# Altium PCB UZ_D_Encoder.PcbDoc (part 4 of 5)
Units mm, origin at the board's own origin, x right, y up, seen from the top; angles counter-clockwise.
Board outline 156.29 x 100 mm, 4 copper layers (Top Layer, GND, VCC, Bottom Layer), stack 0.778 mm thick; 526 components, 375 nets, 1809 pads, 592 vias.
Unrouted connection lines stored in the file: 1.
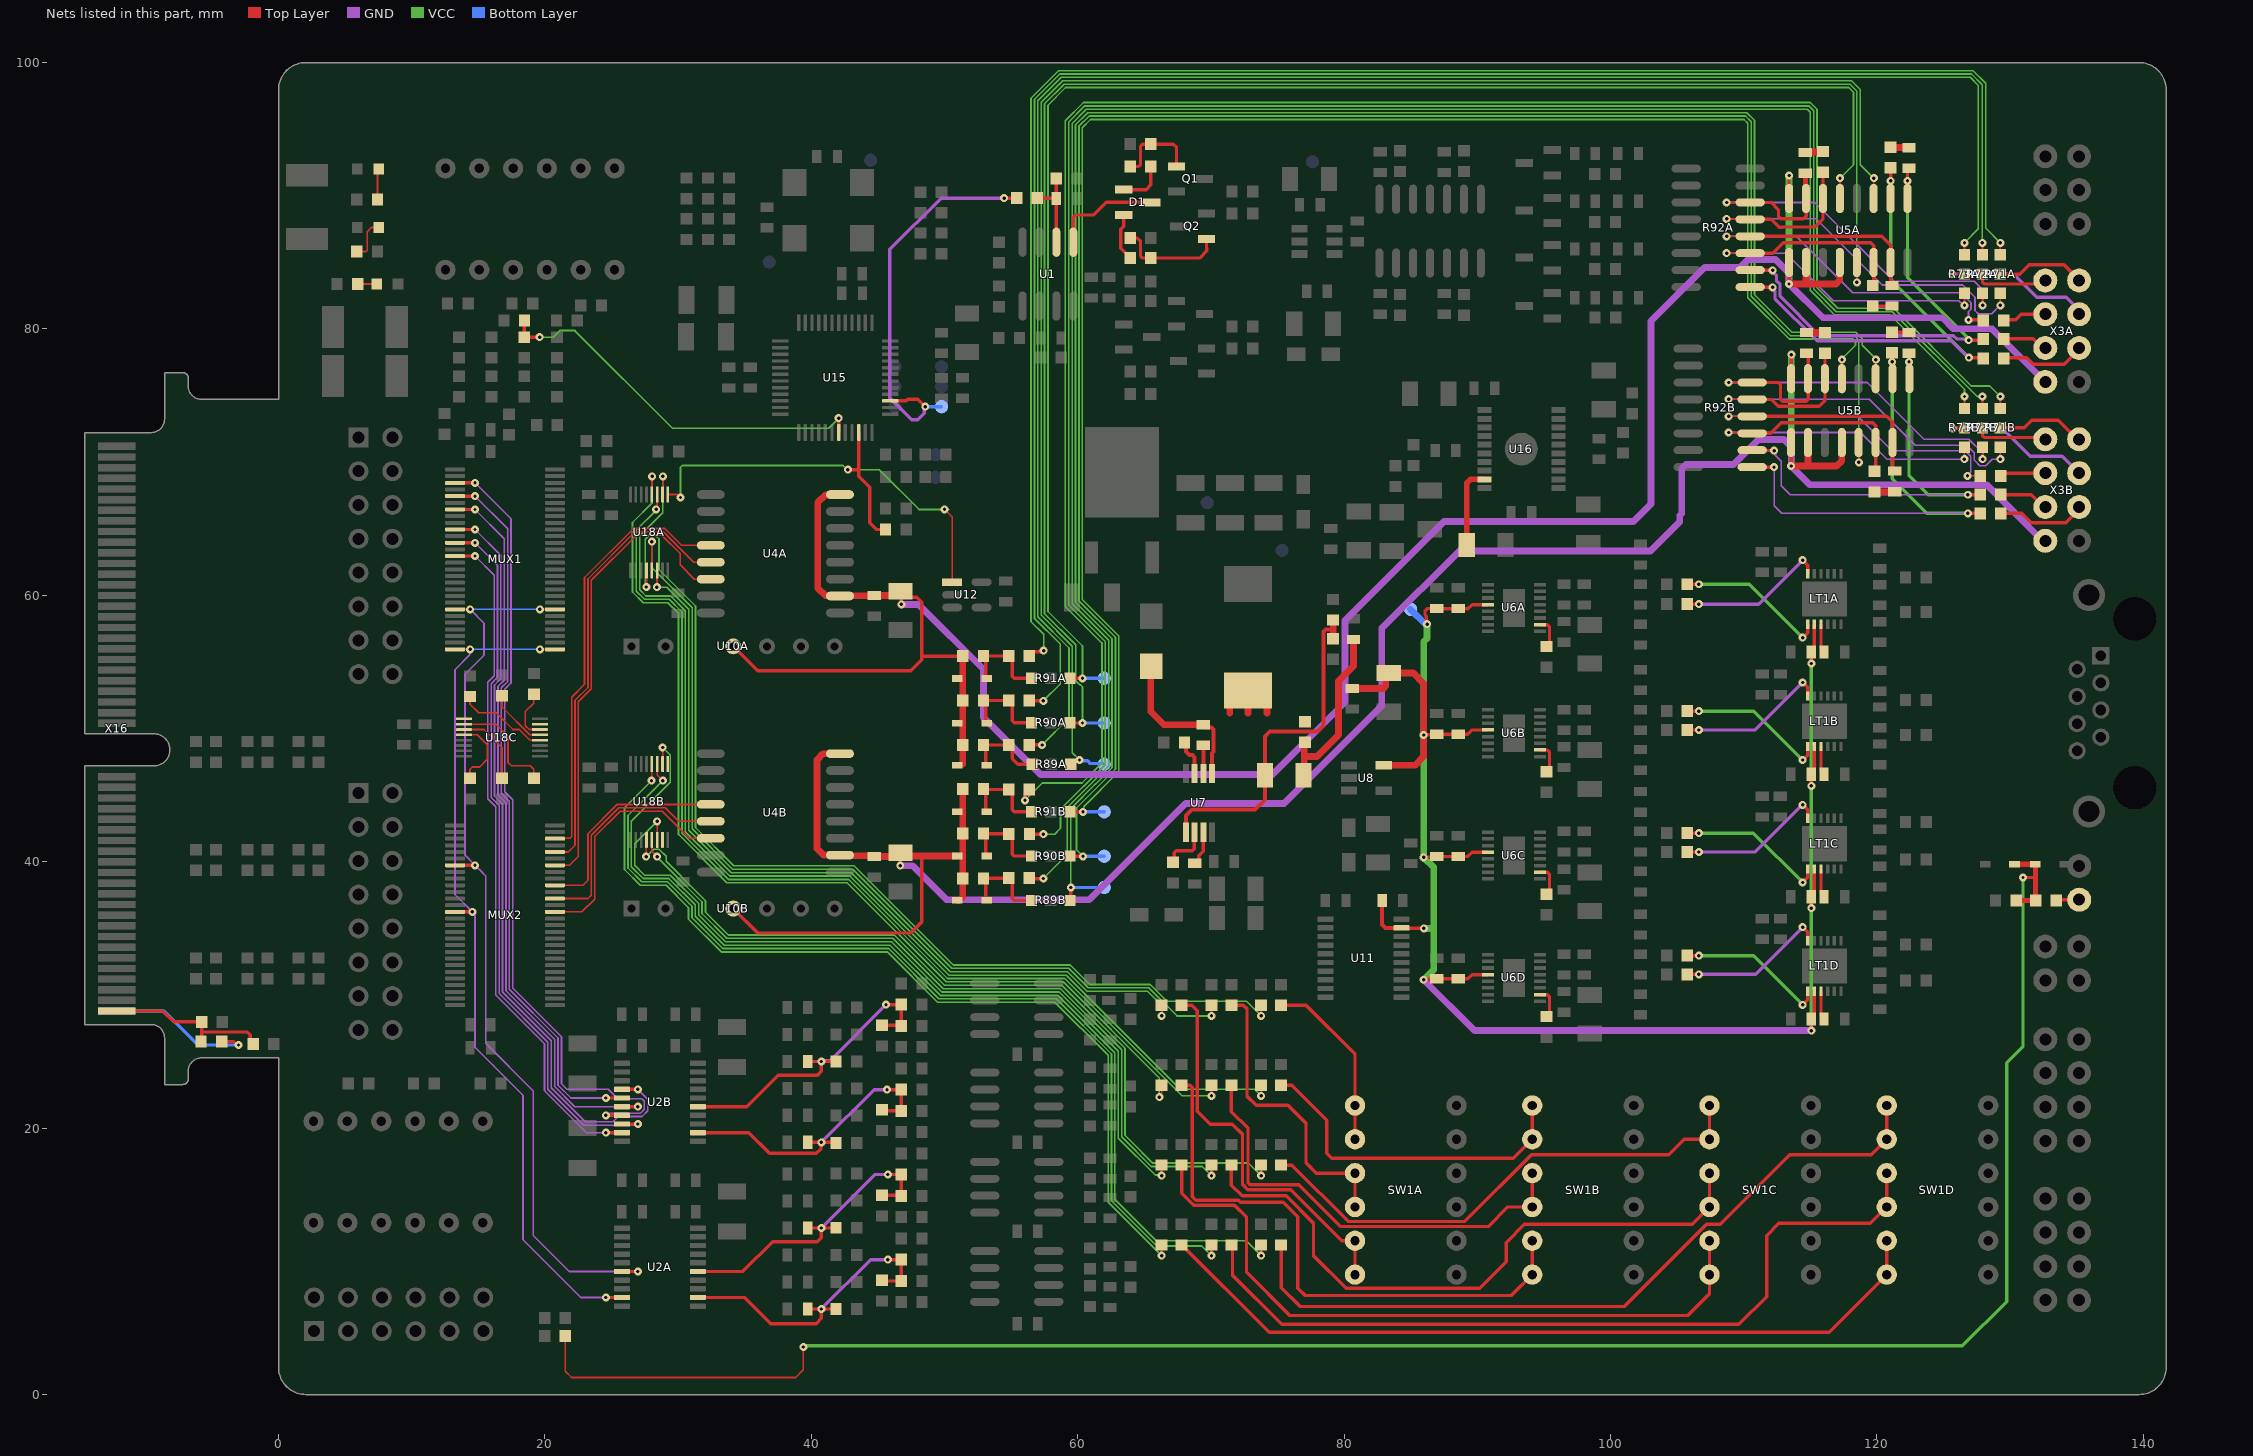
[diagram p6: the nets of this part, all layers, seen from the top]

## Via types
v1: diameter 0.6, hole 0.25, Top Layer to Bottom Layer, tented both sides, 586 vias
v2: diameter 0.7, hole 0.35, Top Layer to Bottom Layer, tented both sides, 6 vias

## Nets (pads, with @x,y where several pads share a name; then routed paths per layer and width w, separated by ;. In a path a pad name is that pad's centre, name@x,y a point inside that pad or via, vN(x,y) a via of type N, cw(c..) or ccw(c..) an arc to the next point about the centre after c; other vN are vias at no path point) (continued)
GND_ENCA: C9A.1 C15A.1 D3A.2 D5A.2 D6A.2 R75A.2 R76A.2 R77A.2 U4A.2 U4A.8 U5A.8 U5A.9 U5A.10 U5A.12 U10A.4 X3A.8 | length 192.6
  Top Layer w0.25: U5A.8@113.405,89.844 v1@113.405,91.514 ; v1@113.415,83.391 U5A.9@113.415,85.061
  Top Layer w0.254: U10A.4@34.13,56.175 35.965,54.34 47.475,54.34 48.3,55.165 48.3,55.441 ; v1(46.754,59.322) C15A.1@46.754,59.934 ; C15A.1@46.754,60.239 C15A.1@46.754,59.934 ; C15A.1@46.773,59.915 C15A.1@46.754,59.934 ; C15A.1@46.793,60.35 47.271,59.872 47.901,59.872 48.3,59.473 48.3,55.441 ; R75A.2@51.373,55.441 48.3,55.441
  Top Layer w0.508: U4A.8@42.147,67.57 42.12,67.543 41.057,67.543 40.476,66.961 40.476,60.559 41.057,59.977 42.12,59.977 U4A.2@42.147,59.95 42.165,59.967 44.715,59.967 C9A.1@44.733,59.985 46.123,59.985 46.488,60.35 C15A.1@46.793,60.35 ; 51.373,47.332 R77A.2@51.373,48.777 R76A.2@51.373,52.109 R75A.2@51.373,55.441 ; v1(113.405,83.381) 114.691,83.381 ; U5A.10@114.685,84.973 114.685,83.387 114.691,83.381 ; U5A.12@117.225,84.973 117.207,84.956 117.207,83.661 116.927,83.381 114.691,83.381
  GND w0.508: v1(46.754,59.322) 48.054,59.322 52.924,54.453 52.924,50.826 57.207,46.543 74.631,46.543 80.065,51.977 80.065,58.122 87.493,65.55 101.725,65.55 103.033,66.858 103.033,80.589 107.069,84.625 109.725,84.625 110.311,85.211 112.381,85.211 113.387,84.205 113.387,83.398 v1(113.405,83.381) 115.936,80.85 124.908,80.85 125.747,80.011 128.637,80.011 X3A.8@132.947,75.701
  VCC w0.25: v1(113.405,83.381) v1@113.41,83.386 ; v1@113.41,91.519 v1(113.415,91.524)
  VCC w0.508: v1@113.41,83.386 v1@113.41,91.519
GND_ENCB: C9B.1 C15B.1 D3B.2 D5B.2 D6B.2 R75B.2 R76B.2 R77B.2 U4B.2 U4B.8 U5B.8 U5B.9 U5B.10 U5B.12 U10B.4 X3B.8 | length 178.9
  Top Layer w0.25: U5B.8@113.567,76.395 v1@113.567,78.066 ; v1@113.577,69.722 U5B.9@113.577,71.392
  Top Layer w0.254: U10B.4@34.13,36.485 35.965,34.65 47.475,34.65 48.3,35.475 48.3,40.433 ; v1(46.673,39.703) 46.673,40.393 C15B.1@46.673,40.619
  Top Layer w0.508: U4B.8@42.147,48.115 40.888,48.115 40.425,47.652 40.425,40.987 40.909,40.503 42.139,40.503 U4B.2@42.147,40.495 42.196,40.446 44.684,40.446 C9B.1@44.733,40.397 44.736,40.393 C15B.1@46.544,40.393 ; C15B.1@46.693,40.675 46.824,40.544 46.935,40.433 48.3,40.433 50.953,40.433 D5B.2@50.957,40.429 ; D6B.2@50.957,37.1 51.099,37.1 51.373,37.374 R76B.2@51.373,42.112 R75B.2@51.373,45.445 ; v1(113.567,69.712) 114.691,69.712 ; U5B.10@114.837,71.453 114.837,69.859 114.691,69.712 ; U5B.12@117.377,71.453 117.365,71.441 117.365,70.103 116.974,69.712 114.691,69.712
  GND w0.508: v1(46.673,39.703) 47.582,39.703 50.135,37.15 60.871,37.15 68.103,44.382 75.501,44.382 82.818,51.699 82.818,57.506 88.649,63.337 103.001,63.337 105.202,65.538 105.202,65.997 105.35,66.145 105.35,69.527 105.648,69.825 109.228,69.825 111.098,71.695 113.019,71.695 113.572,71.142 113.572,69.717 v1(113.567,69.712) 114.981,68.299 128.252,68.299 132.455,64.095 X3B.8@132.646,64.095
  VCC w0.25: v1(113.567,69.712) v1@113.572,69.717 ; v1@113.572,78.071 v1(113.577,78.076)
  VCC w0.508: v1@113.572,69.717 v1@113.572,78.071
GPIO: D14.2 D15.1 R97.1 R150.2 R151.1 | length 153.5
  Top Layer w0.127: R97.1@21.525,4.401 21.525,1.746 21.996,1.275 38.824,1.275 39.399,1.85 v1(39.399,3.565)
  Top Layer w0.25: v1(130.969,38.821) 131.909,38.821
  Top Layer w0.4: D14.2@130.33,39.804 D15.1@131.902,39.804 131.909,39.797 131.909,38.821 131.909,37.091 R150.2@131.916,37.084 R151.1@130.455,37.084
  VCC w0.25: v1(39.399,3.565) 39.484,3.65 126.425,3.65 129.75,6.975 129.75,24.891 130.969,26.11 v1(130.969,38.821)
GPIO_EX: R150.1 X7.1 | length 1.8
  Top Layer w0.254: R150.1@133.466,37.084 133.532,37.15 X7.1@135.19,37.15
INCR_1_extA: D3A.1 R68A.2 R75A.1 R91A.1 | length 7.1
  Top Layer w0.25: D3A.1@53.086,53.777 53.086,55.091 52.761,55.416 52.761,55.441 54.298,55.441 55.073,55.441 55.073,53.923 55.219,53.777 R91A.1@56.449,53.777
INCR_1_extB: D3B.1 R68B.2 R75B.1 R91B.1 | length 7.1
  Top Layer w0.25: D3B.1@53.086,43.766 53.086,45.08 52.761,45.405 52.761,45.43 55.073,45.43 55.073,43.912 55.219,43.766 R91B.1@56.449,43.766
INCR_1_TA: C12A.1 R93A.2 | length 1.4
  Top Layer w0.508: C12A.1@114.611,93.249 114.647,93.286 115.918,93.286 R93A.2@115.955,93.322
INCR_1_TB: C12B.1 R93B.2 | length 1.4
  Top Layer w0.508: C12B.1@114.713,79.731 R93B.2@116.136,79.731
INCR_1A_N: C12A.2 R72A.1 R92A.6 U5A.7 | length 33.6
  Top Layer w0.127: v1(108.719,89.502) R92A.6@109.825,89.501 ; R72A.1@127.925,82.675 127.925,81.788 v1(127.937,81.776)
  Top Layer w0.25: R92A.6@110.485,89.501 112.074,89.501 112.61,88.965 112.61,88.451 112.787,88.273 114.487,88.273 114.685,88.471 U5A.7@114.685,89.773
  Top Layer w0.381: C12A.2@114.487,91.817 114.643,91.661 114.643,89.815 U5A.7@114.685,89.773
  GND w0.127: v1(108.719,89.502) 115.338,89.501 121.264,83.575 127.319,83.575 127.937,82.957 v1(127.937,81.776)
INCR_1A_P: R71A.1 R92A.5 R93A.1 U5A.6 | length 35.9
  Top Layer w0.127: v1(108.719,88.273) 108.74,88.251 109.804,88.251 R92A.5@109.825,88.273 ; v1(129.272,81.776) R71A.1@129.272,82.675
  Top Layer w0.25: R92A.5@110.485,88.231 112.085,88.231 112.665,87.651 112.86,87.651 112.864,87.655 115.337,87.655 115.955,88.273 115.955,89.773 R93A.1@115.955,91.834
  GND w0.127: v1(108.719,88.273) 115.424,88.273 120.397,83.3 126.451,83.3 127.366,82.385 127.366,81.392 127.616,81.142 128.613,81.142 129.247,81.776 v1(129.272,81.776)
INCR_1B_N: C12B.2 R72B.1 R92B.6 U5B.7 | length 32.6
  Top Layer w0.127: v1(108.871,75.981) R92B.6@109.825,75.981 ; R72B.1@127.925,71.128 127.925,70.241 v1(127.937,70.23)
  Top Layer w0.25: R92B.6@110.637,75.981 112.616,75.981 112.762,75.834 112.762,74.731 112.909,74.585 114.691,74.585 114.837,74.731 114.837,76.253 C12B.2@114.837,78.296
  GND w0.127: v1(108.871,75.981) 119.266,75.981 123.531,71.715 126.909,71.715 127.937,70.688 v1(127.937,70.23)
INCR_1B_P: R71B.1 R92B.5 R93B.1 U5B.6 | length 34.4
  Top Layer w0.127: v1(108.871,74.731) R92B.5@109.825,74.731 ; v1(129.272,70.23) R71B.1@129.272,71.128
  Top Layer w0.25: R92B.5@110.637,74.711 112.08,74.711 112.583,74.208 115.655,74.208 116.107,74.66 116.107,76.253 116.107,78.076 R93B.1@116.328,78.296
  GND w0.127: v1(108.871,74.731) 119.435,74.731 122.892,71.275 126.752,71.275 127.31,70.717 127.31,70.163 127.734,69.739 128.182,69.739 128.672,70.23 v1(129.272,70.23)
INCR_2_extA: D5A.1 R69A.2 R76A.1 R90A.1 | length 7.1
  Top Layer w0.25: D5A.1@53.086,50.44 53.086,51.754 52.761,52.079 52.761,52.104 55.073,52.104 55.073,50.586 55.219,50.44 R90A.1@56.449,50.44
INCR_2_extB: D5B.1 R69B.2 R76B.1 R90B.1 | length 7.1
  Top Layer w0.25: D5B.1@53.086,40.429 53.086,41.743 52.761,42.068 52.761,42.093 55.073,42.093 55.073,40.575 55.219,40.429 R90B.1@56.449,40.429
INCR_2_TA: C13A.1 R94A.2 | length 1.5
  Top Layer w0.127: C13A.1@121.069,81.652 C13A.1@121.137,81.719
  Top Layer w0.254: R94A.2@119.689,81.719 C13A.1@121.137,81.719
INCR_2_TB: C13B.1 R94B.2 | length 1.5
  Top Layer w0.508: R94B.2@119.832,67.783 C13B.1@121.342,67.783
INCR_2A_N: C13A.2 R74A.1 R92A.4 U5A.15 | length 37.5
  Top Layer w0.127: v1@108.719,86.96 R92A.4@109.825,86.96
  Top Layer w0.25: R92A.4@110.485,86.961 120.374,86.961 121.035,86.3 121.035,84.973 C13A.2@121.035,83.5
  Top Layer w0.254: v1(126.884,80.692) R74A.1@127.838,80.692
  GND w0.127: v1(108.719,86.961) 113.94,86.961 118.175,82.725 126.322,82.725 127.068,81.979 127.068,81.492 126.884,81.307 v1(126.884,80.692)
INCR_2A_P: R73A.1 R92A.3 R94A.1 U5A.14 | length 34.1
  Top Layer w0.127: v1@108.719,85.69 R92A.3@109.825,85.69 ; R94A.1@119.491,83.267 R94A.1@119.491,83.377 ; v1(126.578,81.776) R73A.1@126.578,82.675
  Top Layer w0.25: R92A.3@110.485,85.691 112.189,85.691 112.972,86.473 119.54,86.473 119.765,86.248 119.765,84.973 R94A.1@119.765,83.5 ; R94A.1@119.491,83.267 R94A.1@119.508,83.267
  GND w0.127: v1(108.719,85.691) 113.177,85.691 116.736,82.132 126.15,82.132 126.506,81.776 v1(126.578,81.776)
INCR_2B_N: C13B.2 R74B.1 R92B.4 U5B.15 | length 37.2
  Top Layer w0.127: v1(108.871,73.441) R92B.4@109.825,73.441 ; v1(126.809,68.98) R74B.1@127.763,68.98
  Top Layer w0.25: R92B.4@110.637,73.441 120.726,73.441 121.187,72.979 121.187,71.453 C13B.2@121.187,69.434
  GND w0.127: v1(108.871,73.441) 118.566,73.441 121.139,70.868 126.621,70.868 127.056,70.433 127.056,69.29 126.809,69.044 v1(126.809,68.98)
INCR_2B_P: R73B.1 R92B.3 R94B.1 U5B.14 | length 33.5
  Top Layer w0.127: v1(108.871,72.234) R92B.3@109.825,72.234 ; v1(126.566,70.23) 126.566,71.116 R73B.1@126.578,71.128
  Top Layer w0.25: R92B.3@110.637,72.171 112.024,72.171 112.806,72.953 119.689,72.953 119.917,72.725 119.917,71.453 119.917,69.414 R94B.1@119.861,69.358
  GND w0.127: v1(108.871,72.234) 118.753,72.234 120.757,70.23 v1(126.566,70.23)
INCR_3_extA: D6A.1 R70A.2 R77A.1 R89A.1 | length 6.8
  Top Layer w0.25: D6A.1@53.086,47.103 53.086,48.417 52.761,48.742 52.761,48.767 55.073,48.767 55.073,47.747 55.508,47.311 R89A.1@56.577,47.311
INCR_3_extB: D6B.1 R70B.2 R77B.1 R89B.1 | length 7.1
  Top Layer w0.25: D6B.1@53.086,37.092 53.086,38.406 52.761,38.731 52.761,38.756 55.073,38.756 55.073,37.238 55.219,37.092 R89B.1@56.449,37.092
INCR_3_TA: C14A.1 R95A.2 | length 1.4
  Top Layer w0.508: R95A.2@121.008,93.649 121.029,93.628 122.387,93.628 C14A.1@122.407,93.608
INCR_3_TB: C14B.1 R95B.2 | length 1.5
  Top Layer w0.25: R95B.2@121.123,79.765 C14B.1@122.653,79.765
INCR_3A_N: C14A.2 R66A.2 R92A.2 U5A.1 | length 36.5
  Top Layer w0.25: R92A.2@110.485,84.421 110.495,84.411 112.165,84.411 v1(112.175,84.401) ; U5A.1@122.305,89.773 v1(122.305,91.123) 122.305,91.955 C14A.2@122.407,92.058 ; v1(126.894,79.161) 127.908,79.161 R66A.2@127.913,79.167
  GND w0.25: v1(112.175,84.401) 112.175,84.306 112.459,84.022 112.459,83.627 112.727,83.359 112.727,82.444 115.669,79.501 125.728,79.501 125.981,79.249 126.889,79.249 v1@126.894,79.243
  VCC w0.25: v1(122.305,91.123) 122.305,83.844 126.894,79.255 v1@126.894,79.243
INCR_3A_P: R67A.2 R92A.1 R95A.1 U5A.2 | length 38.1
  Top Layer w0.25: R92A.1@110.485,83.151 110.495,83.141 112.165,83.141 v1(112.175,83.131) ; R95A.1@121.008,92.099 121.035,92.072 v1(121.035,91.122) ; U5A.2@121.035,89.773 v1(121.035,91.122) ; v1(121.035,91.122) v1(121.035,91.122) ; v1(126.9,77.849) R67A.2@127.913,77.849
  GND w0.25: v1(112.175,83.131) 112.175,83.036 112.35,82.861 112.35,82.287 115.513,79.124 125.572,79.124 126.847,77.849 v1(126.9,77.849)
  VCC w0.25: v1(121.035,91.122) 121.035,83.714 v1(126.9,77.849)
INCR_3B_N: C14B.2 R66B.2 R92B.2 U5B.1 | length 37
  Top Layer w0.25: R92B.2@110.637,70.901 110.656,70.882 112.272,70.882 v1(112.29,70.864) ; U5B.1@122.407,75.853 122.407,77.524 v1(122.417,77.534) ; U5B.1@122.457,76.253 122.457,78.193 C14B.2@122.485,78.221 ; v1(126.825,67.555) R66B.2@127.838,67.555
  GND w0.127: v1(112.29,70.864) 112.381,70.773 112.381,70.518 112.821,70.078 112.821,68.229 113.495,67.555 v1(126.825,67.555)
  VCC w0.25: v1(122.417,77.534) 122.417,68.977 123.839,67.555 v1(126.825,67.555)
INCR_3B_P: R67B.2 R92B.1 R95B.1 U5B.2 | length 39.6
  Top Layer w0.25: R92B.1@110.637,69.631 R92B.1@110.678,69.671 ; R92B.1@110.678,69.631 v1@112.232,69.631 ; v1@112.232,69.671 v1@112.273,69.712 ; R95B.1@121.063,78.221 121.187,78.096 121.187,77.524 U5B.2@121.187,76.253 ; U5B.2@121.137,75.853 121.137,76.253 121.137,77.524 v1(121.147,77.534) ; v1(126.825,66.155) R67B.2@127.838,66.155
  GND w0.127: v1@112.3,69.622 112.3,66.716 112.861,66.155 v1(126.825,66.155)
  VCC w0.25: v1(121.147,77.534) 121.147,68.753 123.745,66.155 v1(126.825,66.155)
  other v1: 112.273,69.631
INCR_A1: MUX2.54 U4A.12 | length 32.7
  Top Layer w0.127: MUX2.54@20.75,41.735 20.768,41.753 21.863,41.753 22,41.89 22,52.35 22.97,53.32 22.97,61.338 26.657,65.025 28.981,65.025 30.246,63.76 U4A.12@32.447,63.76
INCR_A2: MUX2.52 U4A.13 | length 33.7
  Top Layer w0.127: MUX2.52@20.75,40.735 21.75,40.735 22.254,41.239 22.254,52.113 23.224,53.083 23.224,61.233 26.762,64.771 28.876,64.771 31.157,62.49 U4A.13@32.447,62.49
INCR_A3: MUX2.50 U4A.14 | length 35.4
  Top Layer w0.127: MUX2.50@20.75,39.735 21.845,39.735 22.508,40.398 22.508,52.008 23.478,52.978 23.478,61.128 26.867,64.517 28.771,64.517 30.145,63.143 30.145,62.292 31.217,61.22 U4A.14@32.447,61.22
INCR_B1: MUX2.47 U4B.12 | length 16.3
  Top Layer w0.127: MUX2.47@20.75,38.235 22.849,38.235 23.224,38.609 23.224,40.23 23.224,42.101 25.428,44.305 U4B.12@32.447,44.305
INCR_B1_SingleEndedA: R91A.3 TP3A.1 U5A.5 | length 115.6
  Top Layer w0.127: U5A.5@117.225,90.428 v1(117.225,91.327)
  Top Layer w0.254: R91A.3@59.48,53.757 59.499,53.775 v1(60.351,53.775)
  VCC w0.127: v1(60.351,53.775) 60.351,56.199 57.762,58.788 57.762,96.809 59.082,98.129 117.879,98.129 118.241,97.767 118.241,92.323 117.225,91.307 v1(117.225,91.327)
  Bottom Layer w0.254: v1(60.351,53.775) 60.361,53.766 61.982,53.766 TP3A.1@61.992,53.757
INCR_B1_SingleEndedB: R91B.3 TP3B.1 U5B.5 | length 131.6
  Top Layer w0.127: U5B.5@117.377,76.87 117.371,76.876 117.371,77.693 v1(117.377,77.699)
  Top Layer w0.254: R91B.3@59.48,43.746 v1(60.396,43.746)
  VCC w0.127: v1(60.396,43.746) 60.446,43.795 60.446,44.136 63.084,46.773 63.084,56.953 60.341,59.695 60.341,95.116 60.957,95.732 110.026,95.732 110.304,95.454 110.304,82.356 113.41,79.249 118.213,79.249 118.393,79.068 118.393,78.784 117.377,77.768 v1(117.377,77.699)
  Bottom Layer w0.254: v1(60.396,43.746) TP3B.1@61.992,43.746
INCR_B2: MUX2.45 U4B.13 | length 17.6
  Top Layer w0.127: MUX2.45@20.75,37.235 23.231,37.235 23.478,37.482 23.478,40.125 23.478,41.996 25.533,44.051 27.404,44.051 29.018,44.051 30.034,43.035 U4B.13@32.447,43.035
INCR_B2_SingleEndedA: R90A.3 TP2A.1 U5A.13 | length 127.3
  Top Layer w0.127: v1(118.495,83.502) U5A.13@118.495,84.401
  Top Layer w0.254: R90A.3@59.48,50.42 v1(60.351,50.42)
  VCC w0.127: v1(60.351,50.42) 60.351,53.125 60.192,53.285 60.148,53.285 59.85,53.583 59.85,56.287 57.508,58.629 57.508,96.915 58.976,98.383 117.984,98.383 118.495,97.873 v1(118.495,83.502)
  Bottom Layer w0.254: v1(60.351,50.42) TP2A.1@61.992,50.42
INCR_B2_SingleEndedB: R90B.3 TP2B.1 U5B.13 | length 143.5
  Top Layer w0.127: v1(118.647,69.992) U5B.13@118.647,70.891
  Top Layer w0.254: R90B.3@59.48,40.409 v1(60.396,40.409)
  VCC w0.127: v1(60.396,40.409) 59.906,40.899 59.906,44.036 62.83,46.96 62.83,56.848 60.087,59.59 60.087,93.552 60.087,95.221 60.852,95.986 62.521,95.986 62.626,95.986 109.198,95.986 110.131,95.986 110.558,95.559 110.558,89.349 110.558,82.461 113.515,79.503 118.318,79.503 118.647,79.174 v1(118.647,69.992)
  Bottom Layer w0.254: v1(60.396,40.409) TP2B.1@61.992,40.409
INCR_B3: MUX2.43 U4B.14 | length 18.4
  Top Layer w0.127: MUX2.43@20.75,36.235 22.77,36.235 23.732,37.197 23.732,41.89 25.639,43.797 28.801,43.797 30.833,41.765 U4B.14@32.447,41.765
INCR_B3_SingleEndedA: R89A.3 TP1A.1 U5A.3 | length 124
  Top Layer w0.127: U5A.3@119.765,90.428 v1(119.765,91.327)
  Top Layer w0.254: R89A.3@59.48,47.083 59.48,47.315 59.775,47.609 60.094,47.609 v1(60.13,47.645)
  VCC w0.127: v1(60.13,47.645) 59.596,48.179 59.596,56.182 57.254,58.524 57.254,97.02 58.871,98.637 118.089,98.637 118.749,97.978 118.749,92.343 v1(119.765,91.327)
  Bottom Layer w0.254: v1(60.13,47.645) 60.196,47.579 60.734,47.579 60.938,47.375 61.942,47.375 TP1A.1@61.992,47.325
INCR_B3_SingleEndedB: R89B.3 TP1B.1 U5B.3 | length 140.1
  Top Layer w0.127: U5B.3@119.917,76.87 119.911,76.876 119.911,77.693 v1(119.917,77.699)
  Top Layer w0.254: v1(59.475,38.063) 59.475,37.152 R89B.3@59.48,37.147
  VCC w0.127: v1(59.475,38.063) 59.475,43.984 61.323,45.832 61.342,45.832 62.576,47.065 62.576,56.742 59.833,59.485 59.833,93.657 59.833,95.327 60.747,96.24 62.416,96.24 62.626,96.24 109.303,96.24 110.236,96.24 110.812,95.664 110.812,94.732 110.812,82.566 113.621,79.757 118.423,79.757 118.901,79.279 118.901,78.784 119.917,77.768 v1(119.917,77.699)
  Bottom Layer w0.254: v1(59.475,38.063) TP1B.1@61.992,38.063
INCR_Conn1A: R68A.1 R71A.3 | length 129.4
  Top Layer w0.127: R71A.3@129.272,85.575 v1(129.272,86.473)
  Top Layer w0.254: R68A.1@56.504,55.422 56.504,55.597 56.671,55.764 57.262,55.764 57.348,55.85 v1(57.442,55.85)
  VCC w0.127: v1(57.442,55.85) 57.442,57.076 56.492,58.026 56.492,97.335 58.556,99.399 127.214,99.399 128.167,98.445 128.167,87.578 v1(129.272,86.473)
INCR_Conn1B: R68B.1 R71B.3 | length 146
  Top Layer w0.127: R71B.3@129.272,74.028 v1(129.272,74.927)
  Top Layer w0.254: v1(56.044,44.613) 56.067,44.637 56.067,45.107 56.371,45.411 R68B.1@56.504,45.411
  VCC w0.127: v1(56.044,44.613) 57.338,45.908 60.321,45.908 61.814,47.4 61.814,56.427 59.071,59.169 59.071,93.973 59.071,95.642 60.431,97.002 62.1,97.002 62.626,97.002 111.26,97.002 114.988,97.002 115.505,96.486 115.505,92.757 115.505,83.107 117.056,81.556 121.265,81.556 127.095,75.725 128.474,75.725 v1(129.272,74.927)
INCR_Conn2A: R69A.1 R72A.3 | length 132.4
  Top Layer w0.127: v1(127.913,86.473) 127.925,86.462 R72A.3@127.925,85.575
  Top Layer w0.254: R69A.1@56.504,52.085 v1(57.42,52.085)
  VCC w0.127: v1(57.42,52.085) 58.679,53.344 58.679,56.346 56.746,58.279 56.746,97.23 58.661,99.145 127.109,99.145 127.913,98.34 v1(127.913,86.473)
INCR_Conn2B: R69B.1 R72B.3 | length 144.8
  Top Layer w0.127: v1(127.913,74.927) 127.925,74.915 R72B.3@127.925,74.028
  Top Layer w0.254: R69B.1@56.504,42.074 v1(57.42,42.074)
  VCC w0.127: v1(57.42,42.074) 58.272,42.074 58.704,42.506 58.704,43.932 62.068,47.295 62.068,56.532 59.325,59.274 59.325,93.868 59.325,95.537 60.536,96.748 62.205,96.748 62.626,96.748 111.155,96.748 114.883,96.748 115.251,96.38 115.251,92.652 115.251,83.002 116.95,81.302 121.16,81.302 127.534,74.927 v1(127.913,74.927)
INCR_Conn3A: R70A.1 R73A.3 | length 135.8
  Top Layer w0.127: R73A.3@126.578,85.575 v1(126.578,86.473)
  Top Layer w0.254: R70A.1@56.429,48.748 56.453,48.772 v1(57.323,48.772)
  VCC w0.127: v1(57.323,48.772) 59.342,50.79 59.342,56.042 57,58.384 57,97.125 58.766,98.891 127.003,98.891 127.618,98.276 127.618,87.514 v1(126.578,86.473)
INCR_Conn3B: R70B.1 R73B.3 | length 146.2
  Top Layer w0.127: R73B.3@126.578,74.028 v1(126.578,74.927)
  Top Layer w0.254: R70B.1@56.504,38.737 v1(57.42,38.737)
  VCC w0.127: v1(57.42,38.737) 58.809,40.126 59.204,40.521 59.204,44.072 62.322,47.19 62.322,56.637 59.579,59.379 59.579,93.763 59.579,95.432 60.641,96.494 62.626,96.494 111.05,96.494 114.778,96.494 114.997,96.275 114.997,82.896 116.845,81.048 121.002,81.048 126.578,75.472 v1(126.578,74.927)